# KiCad board panel.opm-inline.kicad_pcb (continued)
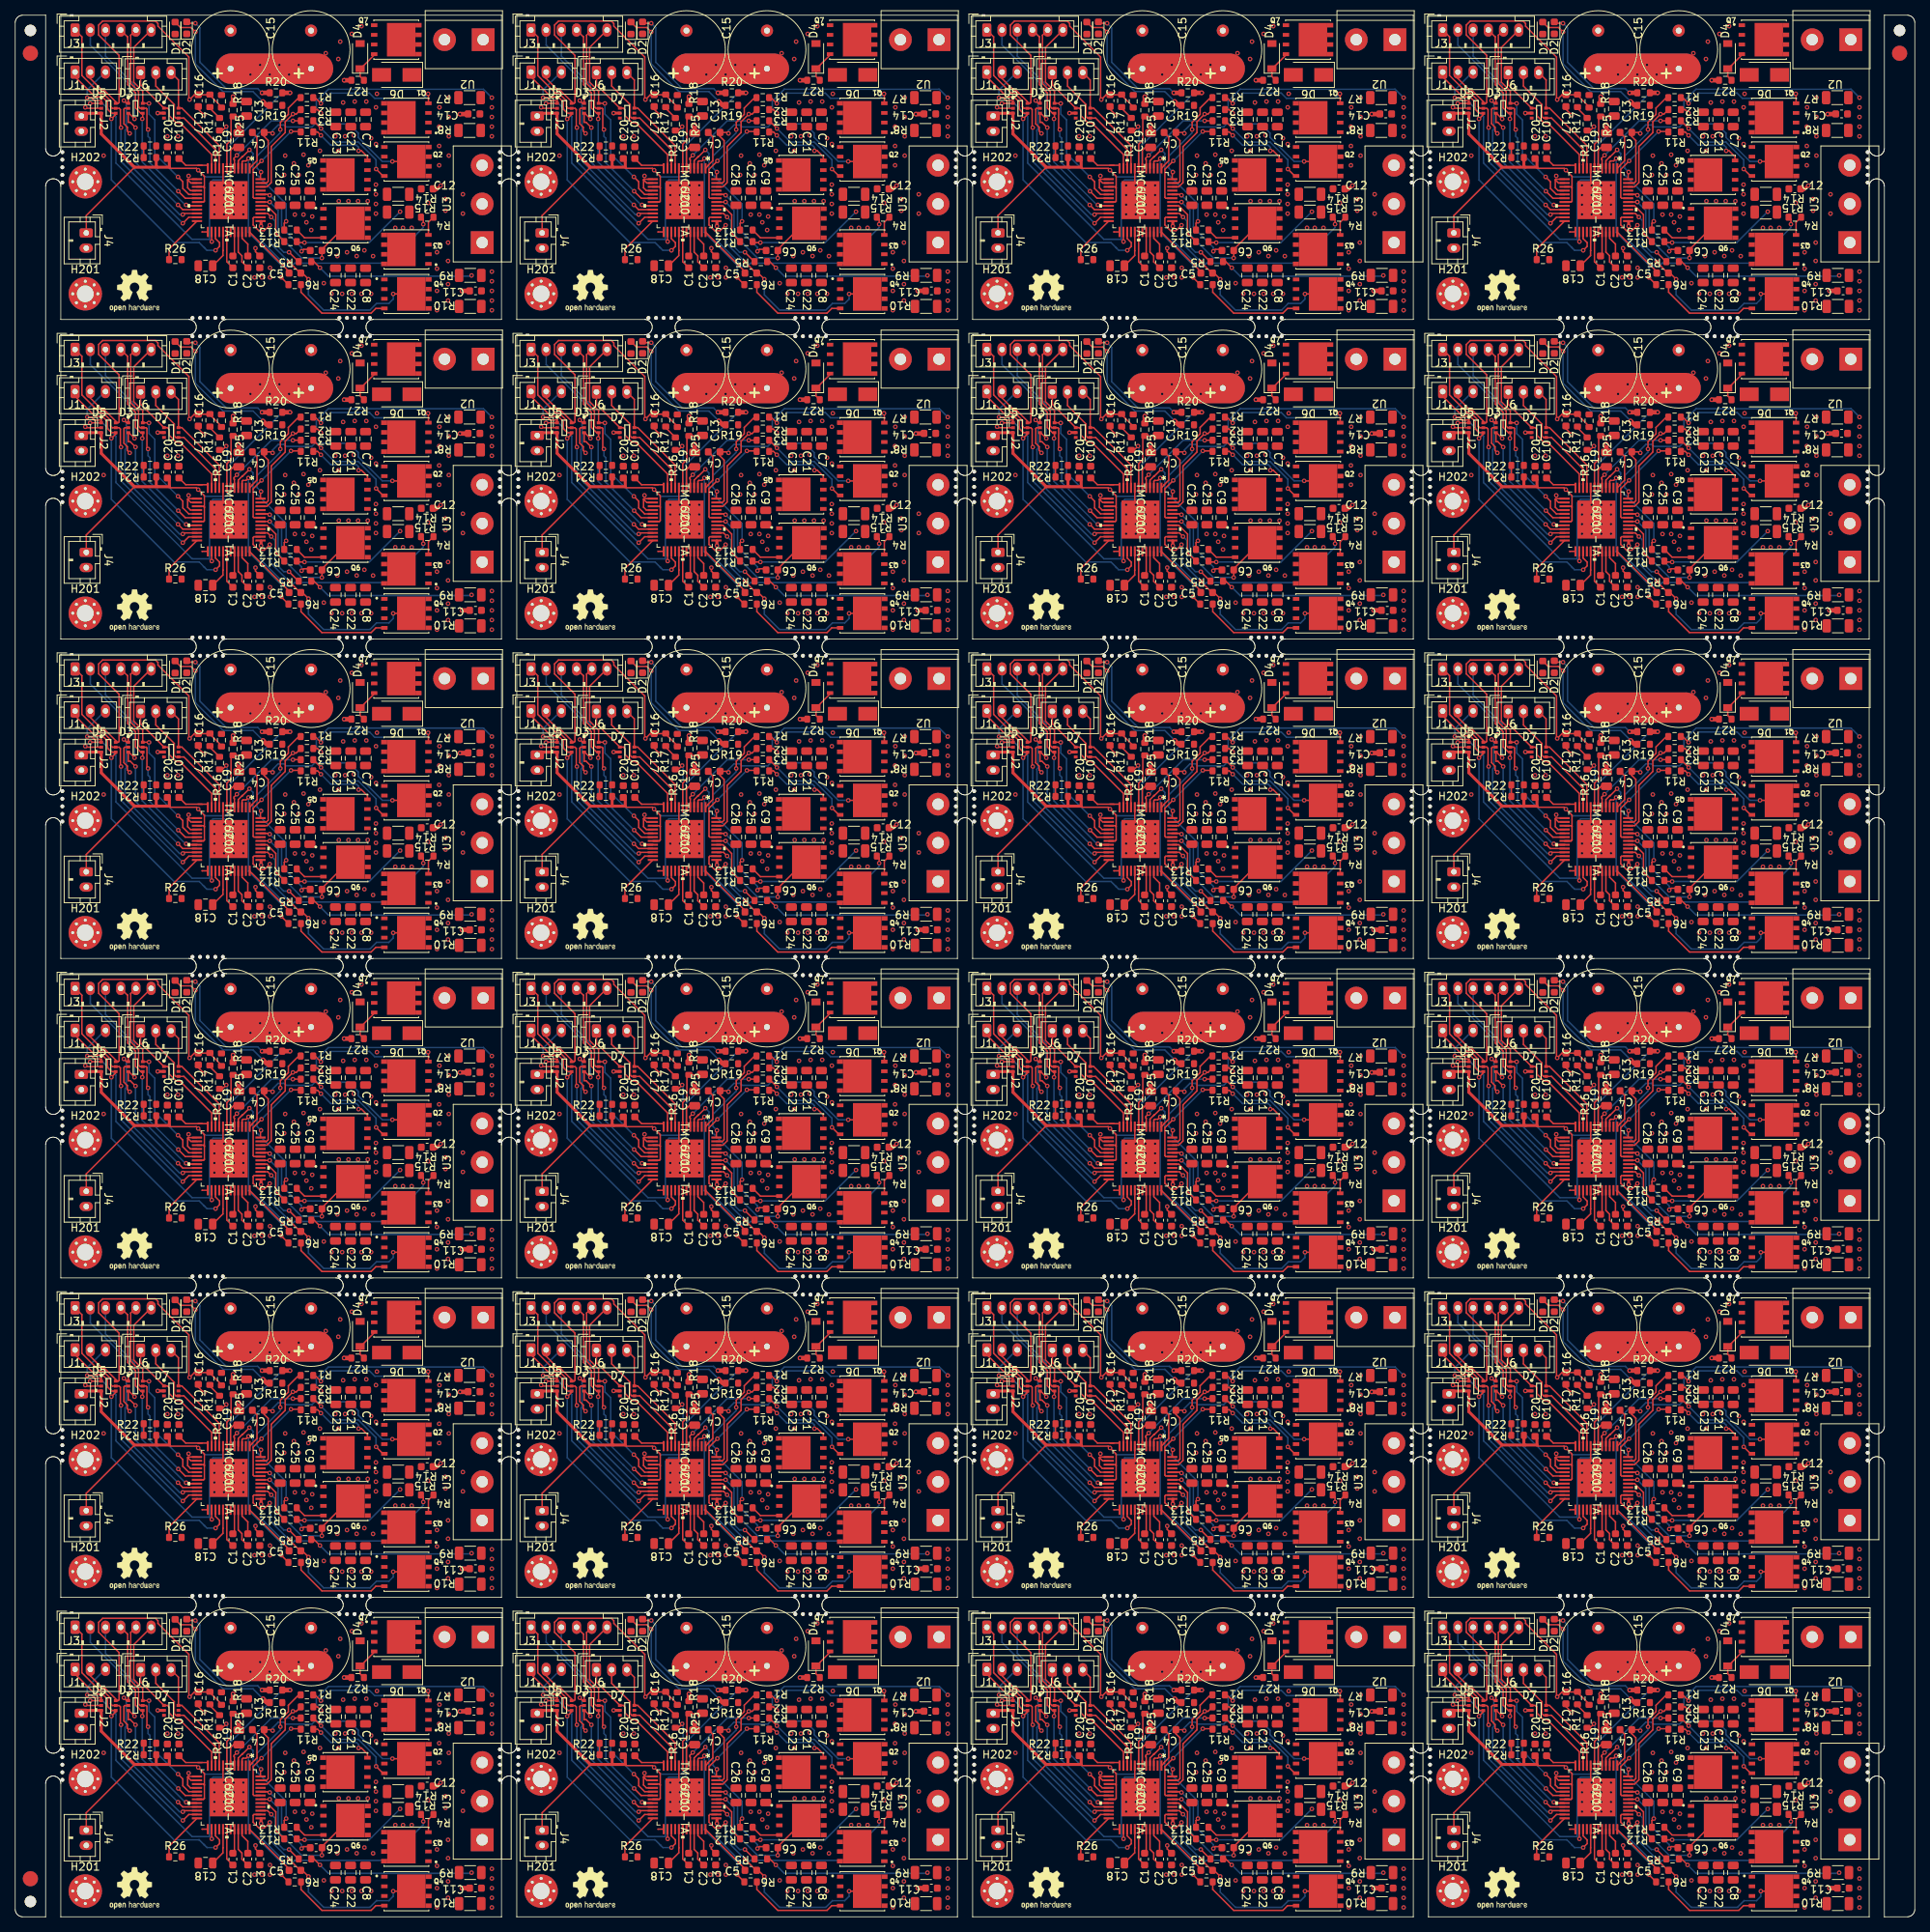
[diagram p0: board, top side]
## Routing (per net, layer and track width the routed paths; a pad name or vN(x,y) marks a point on that pad's centre or on a via; arc(x,y) is an arc through that point) (continued)
  vias: v1(175.69,237.85) v1(175.65,235.31) v1(175.65,232.77) v1(175.65,230.23) v1(176.92,239.12) v1(176.92,236.58) v1(176.92,234.04) v1(176.92,231.5)
Board_2-Net-(C4-Pad2): length 5.4
  Top w0.2: C4#15.2 151.69,233.94 151.69,230.83 151.09,230.23 151.09,230.18 IC1#11.1
Board_2-Net-(C5-Pad1): length 7.4
  Top w0.2: IC1#11.36 150.73,221.44 155.91,216.26
Board_2-Net-(C5-Pad2): length 31.7
  Top w0.2: v1(169.61,213.32) Q4#9.5 ; v1(158.47,215.25) 157.66,216.06 C5#6.2 ; v1(153.37,222.35) 152.65,221.63 151.94,221.63 151.19,222.38 151.19,223.28 151.31,223.4 IC1#11.38 ; 157.46,216.26 157.18,216.26 v1(155.91,217.53)
  Bottom w0.2: v1(153.37,222.35) 153.47,222.25 153.47,219.97 v1(155.91,217.53) ; v1(169.61,213.32) 169.61,212.63 169.04,212.07 167.41,212.07 166.54,211.2 160.46,211.2 158.47,213.2 v1(158.47,215.25)
  vias: v1(175.36,218.8) v1(175.36,216.64) v1(175.36,213.72) v1(175.36,211.18) v1(176.82,220.07) v1(176.82,217.65) v1(176.82,214.61) v1(176.82,212.45)
Board_2-Net-(C6-Pad1): length 19.3
  Top w0.2: v1(153.37,225.4) 153.37,225.4 IC1#11.42 ; Q6#4.5 163.67,222.61 160.24,219.18 160.24,218.05 v1(160.23,218.03)
  Bottom w0.2: v1(153.37,225.4) 154.47,224.3 154.47,221.13 157.56,218.03 v1(160.23,218.03)
  vias: v1(162.45,225.52) v1(163.72,225.52) v1(164.99,225.52) v1(166.26,225.52) v1(167.33,227.69) v1(167.33,226.42) v1(167.33,225.15) v1(167.33,223.88)
Board_2-Net-(C6-Pad2): length 12.4
  Top w0.2: v1(157.56,218.92) 157.82,219.18 158.69,219.18 ; v1(153.37,226.29) 153.27,226.4 IC1#11.44 153.01,226.4
  Bottom w0.2: v1(157.56,218.92) 157.56,219.43 154.93,222.06 154.93,224.73 v1(153.37,226.29)
Board_2-Net-(D1-Pad2): length 19.4
  Top w0.2: R19#6.1 152.99,238.1 ; D1#7.2 141.64,248.34 143.01,248.34 v1(143.59,247.75)
  Top w0.6: 152.99,238.1 v1(152.48,238.61)
  Bottom w0.2: v1(143.59,247.75) 143.59,243.56 147.24,239.91 151.18,239.91 v1(152.48,238.61)
Board_2-Net-(D2-Pad2): length 17.4
  Top w0.2: v1(143.59,248.9) 142.63,248.9 D2#12.2
  Top w0.6: R20#3.1 v1(152.36,239.75)
  Bottom w0.2: v1(143.59,248.9) 144.19,248.3 144.19,243.77 147.65,240.31 151.79,240.31 v1(152.36,239.75)
Board_2-Net-(D4-Pad1): length 4.4
  Top w0.2: 165.31,242.93 167.11,244.73 Q7#7.4 ; D4.1 165.26,241.9 R27#16.1
Board_2-Net-(IC1-Pad3): length 20.6
  Top w0.2: v1(150.58,231.12) 150.26,230.8 149.85,230.8 149.73,230.68 IC1#11.3 ; v1(154.9,215.49) 154.9,215.47 R6#23.2
  Bottom w0.2: v1(150.58,231.12) 150.58,221.41 154.9,217.09 v1(154.9,215.49)
Board_2-Net-(IC1-Pad4): length 16.7
  Top w0.2: 149.73,231.33 149.82,231.41 ; 149.73,231.33 149.23,230.83 IC1#11.4 149.23,230.64 ; 149.73,231.33 149.77,231.33 v1(150.71,232.26) ; v1(155.53,222.86) 155.28,222.61 R13#23.2
  Bottom w0.2: v1(155.53,222.86) 155.53,225.15 151.18,229.5 151.18,231.79 v1(150.71,232.26)
Board_2-Net-(IC1-Pad5): length 12.2
  Top w0.2: v1(149.05,231.54) 148.67,231.16 148.67,230.99 148.73,230.93 IC1#11.5 ; R3#21.2 156.43,236.08 v1(156.42,236.07)
  Bottom w0.2: v1(149.05,231.54) 153.58,236.07 v1(156.42,236.07)
Board_2-Net-(IC1-Pad24): length 6.6
  Top w0.2: R26#19.1 140.13,219.22 IC1#11.24
Board_2-Net-(IC1-Pad37): length 28.9
  Top w0.2: v1(173.57,222.48) 173.57,223.1 R4#14.2 ; 152.23,222.83 IC1#11.37
  Top w0.4: v1(152.23,222.23) 152.23,222.83
  Bottom w0.2: v1(173.57,222.48) 173.57,222.05 168.87,217.36 156.64,217.36 156.2,216.93 155.62,216.93 152.23,220.32 v1(152.23,222.23)
Board_2-Net-(IC1-Pad39): length 9.3
  Top w0.2: 157.18,217.76 156.95,217.76 v1(155.91,218.8) ; v1(153.57,223.42) 153.1,223.9 IC1#11.39
  Bottom w0.2: v1(153.57,223.42) 154.07,222.92 154.07,219.93 155.21,218.8 v1(155.91,218.8)
Board_2-Net-(IC1-Pad41): length 6.5
  Top w0.2: IC1#11.41 153.01,224.9 154.17,223.74 154.17,221.3 R12#6.2
Board_2-Net-(IC1-Pad43): length 13.1
  Top w0.2: IC1#11.43 151.31,225.9 151.19,226.02 151.19,229.69 v1(152.29,230.8) ; v1(156.17,234.67) 157.39,234.67 R11#24.2
  Bottom w0.2: v1(152.29,230.8) v1(156.17,234.67)
Board_2-Net-(IC1-Pad46): length 13.1
  Top w0.2: IC1#11.46 153.01,227.4 153.57,227.95 153.57,232.69 155.4,234.53 155.4,235.94 v1(156.42,236.96) 156.86,236.96 R2#2.2
Board_2-Net-(IC1-Pad48): length 13.8
  Top w0.2: R1#21.2 157.18,239.12 155.82,237.75 155.82,236.92 154.77,235.87 v1(154.77,234.93) ; v1(152.23,229.34) 152.16,229.27 IC1#11.48
  Bottom w0.2: v1(154.77,234.93) 154.77,234.5 151.69,231.42 151.69,229.87 v1(152.23,229.34) 152.23,229.59
Board_2-Net-(Q1-Pad4): length 17.8
  Top w0.2: Q1#22.4 174.24,239.58 v1(174.2,239.62) ; R1#21.1 159.34,239.12 v1(160.1,238.35)
  Bottom w0.2: v1(174.2,239.62) 173.6,239.02 167.18,239.02 166.49,239.72 161.47,239.72 v1(160.1,238.35)
Board_2-Net-(Q2-Pad4): length 13.2
  Top w0.2: v1(167.36,229.73) 168.27,228.82 Q2#13.4 ; 160.23,234.95 v1(160.11,235.06) R3#21.1
  Bottom w0.2: v1(167.36,229.73) 167.36,230.94 165.02,233.27 161.9,233.27 v1(160.11,235.06)
Board_2-Net-(Q3-Pad4): length 2.6
  Top w0.2: R4#14.1 174.24,222.74 Q3#8.4
Board_2-Net-(Q4-Pad4): length 13.5
  Top w0.2: Q4#9.4 167.32,211.41 166.71,210.8 160.23,210.8 157.48,213.54 R6#23.1 157.68,214.54
Board_2-Net-(Q5-Pad4): length 9.2
  Top w0.2: v1(160.1,234.16) 159.66,234.61 R11#24.1 ; Q5#17.4 166.22,231.35 165.44,232.13 v1(165.06,232.13)
  Bottom w0.2: v1(160.1,234.16) 161.4,232.87 164.78,232.87 165.06,232.59 v1(165.06,232.13)
Board_2-Net-(Q6-Pad4): length 3.9
  Top w0.2: R13#23.1 157.94,220.7 Q6#4.4
Board_2-Net-(R16-Pad2): length 2
  Top w0.2: R16#12.2 145.5,237.72 R17#2.1
Board_3-/+VM: length 61.7
  Top w0.2: IC1#10.33 209.18,218.81 209.67,218.33 209.67,217.53 C2#7.1
  Top w0.6: R25#4.2 v1(208.5,239.24)
  Top w4: 208.24,242.93 219.67,242.93
  In1.Cu w4: 208.5,242.93 218.3,242.93
  In2.Cu w4: 208.24,242.93 219.67,242.93 208.24,242.93
  Bottom w4: 208.24,242.93 219.67,242.93
  vias: v1(210.78,242.16) v1(211.31,215.49) v1(212.05,243.43) v1(212.28,215.49) v1(213.32,242.16) v1(213.35,216.76) v1(213.35,215.49) v1(214.59,243.43) v1(215.23,228.96) v1(215.35,231.5) v1(215.86,242.16) v1(216.5,230.48) v1(217.13,243.43) v1(217.13,228.96) v1(217.77,231.62) v1(218.4,230.23) v1(219.93,232.13) v1(220.69,244.96) v1(222.21,218.3) v1(222.34,244.2) v1(222.34,232.13) v1(222.59,246.48) v1(222.97,238.48) v1(223.48,218.8) v1(224.12,247.5) v1(224.5,238.61) v1(224.75,218.3) v1(225.39,248.51) v1(225.77,219.05) v1(226.02,238.61) v1(226.91,218.29) v1(227.29,237.85) v1(227.42,239.62) v1(229.83,222.01) v1(230.85,222.01) v1(231.99,222.01)
Board_3-/ADC_I_u: length 15.5
  Top w0.2: IC1#10.9 206.68,232.82 201.77,237.73 D7#3.6 201.32,241.44 J6#16.3
Board_3-/ADC_I_v: length 17.7
  Top w0.2: 206.12,230.31 206.18,230.25 IC1#10.10 206.18,232.29 202.03,236.43 D7#3.4 200.98,236.43 200.77,236.64 200.77,238.21 198.34,240.64 J6#16.2 198.84,241.91
Board_3-/ADC_I_w: length 17
  Top w0.2: IC1#10.11 205.68,231.64 201.51,235.81 201.03,235.81 200.11,236.73 200.11,237.49 199.87,237.73 D7#3.1 196.34,240.82 J6#16.1
Board_3-/Connectors/VOFS: length 1.8
  Top w0.2: R22#3.1 R21#18.2 ; 196.43,231.12 196.75,231.12
Board_3-/DRV_EN: length 38.5
  Top w0.2: v1(192.49,236.32) 193.06,236.89 D5#3.4 192.51,237.07 191.99,237.59 191.99,238.54 191.29,239.23 190.35,239.23 187.72,241.86 J1#5.1 ; v1(206.2,219.05) 206.72,219.57 206.72,220.06 206.18,220.59 IC1#10.27 206.18,221.05 206.2,221.03
  Bottom w0.2: 204.69,219.43 204.81,219.3 ; 204.69,219.43 204.05,220.07 200.73,220.07 192.49,228.3 v1(192.49,236.32) ; 204.69,219.43 205.07,219.05 v1(206.2,219.05)
Board_3-/FAULT: length 63.4
  Top w0.2: v1(189.7,238.35) 189.72,238.37 D5#3.1 191.16,238.68 ; 191.22,238.74 190.28,238.74 189.9,239.12 v1(189.32,239.12) ; v1(205.7,220.19) 205.68,220.21 IC1#10.26
  Top w0.6: R20#20.2 v1(215.99,239.75)
  Bottom w0.2: 193,236.7 192.78,236.92 ; 193,236.7 193.09,236.61 193.09,230.52 203.12,220.49 205.4,220.49 ; 193,236.7 191.35,238.35 v1(189.7,238.35) ; 205.4,220.49 v1(205.7,220.19) ; 205.4,220.49 205.4,227.83 205.87,228.3 207.9,228.3 208.13,228.54 208.13,232.91 R20#20.2 v1(215.99,239.75) ; J1#5.3 191.66,242.48 189.32,240.13 v1(189.32,239.12)
Board_3-/Motor Driver/VOFS: length 4.7
  Top w0.2: 203.89,230.23 205.16,230.23 ; C10#12.1 202.27,230.23 204.43,230.23
Board_3-/TEMP_PCB: length 42.5
  Top w0.2: 193.06,245.12 193.05,245.13 ; 193.05,245.13 193.51,244.67 193.51,238.48 193.4,238.37 D5#3.6 193.06,238.59 191.63,240.03 191.33,240.03 189.72,241.63 J1#5.2 ; 193.05,245.13 190.82,247.36 190.82,248.65 191.35,249.18 198.3,249.18 198.62,248.86 198.62,248.52 202.69,244.45 202.69,238.95 v1(202.78,238.86) 203.42,239.5 C17#15.1 205.42,239.5 R17.2 205.45,239.43 206.97,237.91
Board_3-/U: length 27.2
  Top w0.2: R2#12.1 219.59,237.55 v1(220.05,237.08)
  Bottom w0.2: v1(242.53,239.12) 241.42,240.22 221.04,240.22 219.45,238.64 219.45,237.68 v1(220.05,237.08)
  vias: v1(242.53,237.85) v1(242.53,236.58) v1(242.53,235.31) v1(242.53,234.04)
Board_3-/UH: length 27.5
  Top w0.2: v1(201.26,228.7) 201.89,228.07 201.89,227.18 202.67,226.4 IC1#10.17 ; 197.72,247.65 J3#19.6 195.44,245.72 195.44,241.15 196.62,239.97 D3#5.6 197.43,238.37 v1(197.45,238.35)
  Bottom w0.2: v1(197.45,238.35) 197.45,236.96 198.21,236.2 198.21,231.75 v1(201.26,228.7)
Board_3-/UL: length 27.4
  Top w0.2: v1(197.32,234.93) 197.17,235.08 197.17,237.62 197.07,237.72 D3#5.5 196.28,237.72 196.07,237.93 196.07,239.93 195.92,240.07 195.92,240.1 195.04,240.98 195.04,247.32 J3#19.5 ; IC1#10.18 202.21,225.9 v1(201.29,226.82)
  Bottom w0.2: v1(197.32,234.93) 197.32,234.04 197.57,233.78 197.57,230.53 v1(201.29,226.82)
Board_3-/V: length 15.3
  Top w0.2: R12#20.1 217,220.07 v1(217.89,220.07)
  Bottom w0.2: v1(230.47,224.13) 226.4,220.07 v1(217.89,220.07)
  vias: v1(234.15,225.27) v1(236.44,225.78) v1(236.44,224.26) v1(238.72,226.42) v1(238.72,223.88)
Board_3-/VH: length 30.4
  Top w0.2: v1(202.33,225.02) 202.45,224.9 IC1#10.20 202.88,224.9 ; D3#5.4 196.36,237.07 195.67,237.76 195.67,239.75 195.27,240.15 195.27,240.19 194.64,240.82 194.64,247.12 194.61,247.12 J3#19.4 ; D3#5.4 196.42,237.07 ; D3#5.4 196.62,236.26
  Bottom w0.2: 196.56,236.2 196.56,230.66 202.33,224.9 202.14,224.9 202.14,225.01 ; 194.27,247.46 J3#19.4
  vias: v1(196.56,236.32)
Board_3-/VL: length 32.1
  Top w0.2: IC1#10.21 201.88,224.4 v1(201.26,225.02) ; v1(195.54,236.32) 194.8,237.07 D3#5.3 ; 194.78,237.01 D3#5.3 ; D3#5.3 194.72,235.88 194.97,235.88 v1(195.67,235.18)
  Bottom w0.2: v1(195.54,236.32) 195.54,240.77 191.72,244.59 J3#19.3 ; v1(201.26,225.02) 195.67,230.61 v1(195.67,235.18)
Board_3-/VSA: length 5
  Top w0.2: C18#6.1 207.17,218.37 207.17,219.01 207.18,219.02 IC1#10.29
Board_3-/W: length 21.9
  Top w0.2: 218.81,217.78 218.78,217.76 ; R5#8.1 219.13,217.56 v1(219.93,216.76)
  Bottom w0.2: v1(219.93,216.76) 221.03,215.66 239.77,215.66 v1(239.87,215.75)
  vias: v1(242.53,216.26) v1(242.53,214.99) v1(242.53,213.72) v1(242.53,212.45) v1(242.53,211.18)
Board_3-/WH: length 33.7
  Top w0.2: v1(194.15,238.74) 194.51,238.37 D3#5.1 ; IC1#10.22 202.04,223.9 v1(201.89,223.75) ; D3#5.1 194.65,238.44 ; D3#5.1 194.72,239.18 v1(194.91,239.37)
  Bottom w0.2: 194.76,230.46 201.47,223.75 v1(201.89,223.75) ; 194.76,230.46 194.31,230.91 194.31,234.83 194.45,234.97 194.45,238.44 v1(194.15,238.74) ; 194.76,230.46 194.65,230.56 ; 193.36,242.38 193.16,242.58 ; 193.16,242.58 189.72,246.02 J3#19.2 ; 193.16,242.58 194.56,241.18 ; 194.65,241.09 194.56,241.18 ; 194.56,241.18 194.91,240.84 v1(194.91,239.37)
Board_3-/WL: length 34.8
  Top w0.2: IC1#10.23 202.68,223.4 v1(201.89,222.61) ; v1(193.76,235.18) 193.68,235.26 193.68,237.55 193.51,237.72 D5#3.5 192.61,237.72 192.39,237.95 192.39,238.7 191.46,239.63 191.02,239.63 188.62,242.03 188.62,247.11 J3#19.1 187.74,248.01
  Bottom w0.2: v1(201.89,222.61) 193.76,230.73 v1(193.76,235.18) ; 187.72,247.46 J3#19.1
Board_3-GND: length 31.2
  Top w0.2: 239.39,236.96 C14#15.2 ; C17#15.2 203.92,237.59 v1(204.69,236.83) ; D5#3.2 189.19,237.72 v1(189.07,237.85) ; 204.43,221.46 204.44,221.47 IC1#10.25 205.18,221.36 ; 209.68,227.4 IC1#10.EPAD ; IC1#10.EPAD 207.18,226.4 IC1#10.8 ; IC1#10.EPAD 205.68,223.4 ; v1(194.91,234.42) 194.61,234.72 194.61,235.22 194.15,235.69 194.15,237.6 194.27,237.72 D3#5.2 ; C3#22.2 211.44,218.87 v1(211.44,219.33) ; IC1#10.13 202.6,228.4 202.53,228.32 ; IC1#10.14 202.95,227.9 202.53,228.32 ; 202.53,228.32 202.53,227.27 202.9,226.9 IC1#10.16
  Top w0.4: 234.8,227.05 235.29,227.05 v1(235.8,227.56) ; D7#3.2 v1(198.59,237.08)
  Top w0.6: v1(223.1,241.4) R27#5.2 ; v1(238.6,213.72) C11#22.2 ; v1(238.34,236.96) 239.39,236.96 ; C19#22.2 v1(209.26,235.56)
  vias: v1(191.48,231.5) v1(199.86,234.04) v1(201.26,234.04) v1(202.65,228.83) v1(206.04,227.59) v1(206.04,226.32) v1(206.04,225.05) v1(206.04,223.78) v1(207.31,227.59) v1(207.31,226.32) v1(207.31,225.05) v1(207.31,223.78) v1(208.58,227.59) v1(208.58,226.32) v1(208.58,225.05) v1(208.58,223.78) v1(209.85,227.59) v1(209.85,226.32) v1(209.85,225.05) v1(209.85,223.78) v1(216.62,223.75) v1(217.77,223.75) v1(218.15,222.73) v1(218.78,221.72) v1(218.91,223.5) v1(220.43,214.73) v1(221.45,213.34) v1(221.96,234.04) v1(222.85,213.34) v1(223.23,234.04) v1(224.12,213.34) v1(224.37,234.16) v1(225.39,213.34) v1(226.66,233.78) v1(226.66,213.34) v1(227.29,233.02)
Board_3-Net-(C1-Pad1): length 5
  Top w0.2: IC1#10.30 207.68,217.55 C1#23.1
Board_3-Net-(C1-Pad2): length 3.2
  Top w0.2: C1#23.2 208.68,218.52 IC1#10.32
Board_3-Net-(C2-Pad2): length 3.5
  Top w0.2: IC1#10.34 209.68,220.63 210.44,219.87 C2#7.2
Board_3-Net-(C4-Pad1): length 31
  Top w0.2: C4#6.1 212.59,234.07 ; C4#6.1 213.58,234.54 v1(213.7,234.42) ; C4#6.1 212.59,234.01 213.12,233.47 213.12,228.12 212.9,227.9 IC1#10.47 ; v1(229.45,230.73) 229.46,230.73 Q2#19.5
  Bottom w0.2: v1(213.7,234.42) 213.7,234.8 214.43,235.53 215.19,235.53 215.45,235.27 218.88,235.27 219.27,235.66 223.76,235.66 224.97,234.45 224.97,233.89 228.13,230.73 v1(229.45,230.73)
  vias: v1(235.6,235.31) v1(235.6,232.77) v1(235.6,230.23) v1(235.64,237.85) v1(236.87,239.12) v1(236.87,236.58) v1(236.87,234.04) v1(236.87,231.5)
Board_3-Net-(C4-Pad2): length 5.4
  Top w0.2: C4#6.2 211.64,233.94 211.64,230.83 211.04,230.23 211.04,230.18 IC1#10.1
Board_3-Net-(C5-Pad1): length 7.4
  Top w0.2: IC1#10.36 210.68,221.44 215.86,216.26
Board_3-Net-(C5-Pad2): length 31.7
  Top w0.2: v1(229.56,213.32) Q4#4.5 ; v1(218.42,215.25) 217.61,216.06 C5#3.2 ; v1(213.32,222.35) 212.6,221.63 211.89,221.63 211.14,222.38 211.14,223.28 211.26,223.4 IC1#10.38 ; 217.41,216.26 217.13,216.26 v1(215.86,217.53)
  Bottom w0.2: v1(213.32,222.35) 213.42,222.25 213.42,219.97 v1(215.86,217.53) ; v1(229.56,213.32) 229.56,212.63 228.99,212.07 227.36,212.07 226.49,211.2 220.41,211.2 218.42,213.2 v1(218.42,215.25)
  vias: v1(235.31,218.8) v1(235.31,216.64) v1(235.31,213.72) v1(235.31,211.18) v1(236.77,220.07) v1(236.77,217.65) v1(236.77,214.61) v1(236.77,212.45)
Board_3-Net-(C6-Pad1): length 19.3
  Top w0.2: v1(213.32,225.4) 213.32,225.4 IC1#10.42 ; Q6#5.5 223.62,222.61 220.19,219.18 220.19,218.05 v1(220.18,218.03)
  Bottom w0.2: v1(213.32,225.4) 214.42,224.3 214.42,221.13 217.51,218.03 v1(220.18,218.03)
  vias: v1(222.4,225.52) v1(223.67,225.52) v1(224.94,225.52) v1(226.21,225.52) v1(227.28,227.69) v1(227.28,226.42) v1(227.28,225.15) v1(227.28,223.88)
Board_3-Net-(C6-Pad2): length 12.4
  Top w0.2: v1(217.51,218.92) 217.77,219.18 218.64,219.18 ; v1(213.32,226.29) 213.22,226.4 IC1#10.44 212.96,226.4
  Bottom w0.2: v1(217.51,218.92) 217.51,219.43 214.88,222.06 214.88,224.73 v1(213.32,226.29)
Board_3-Net-(D1-Pad2): length 19.4
  Top w0.2: R19#3.1 212.94,238.1 ; D1#23.2 201.59,248.34 202.96,248.34 v1(203.54,247.75)
  Top w0.6: 212.94,238.1 v1(212.43,238.61)
  Bottom w0.2: v1(203.54,247.75) 203.54,243.56 207.19,239.91 211.13,239.91 v1(212.43,238.61)
Board_3-Net-(D2-Pad2): length 17.4
  Top w0.2: v1(203.54,248.9) 202.58,248.9 D2#5.2
  Top w0.6: R20#20.1 v1(212.31,239.75)
  Bottom w0.2: v1(203.54,248.9) 204.14,248.3 204.14,243.77 207.6,240.31 211.74,240.31 v1(212.31,239.75)
Board_3-Net-(D4-Pad1): length 4.4
  Top w0.2: 225.26,242.93 227.06,244.73 Q7#17.4 ; D4#9.1 225.21,241.9 R27#5.1
Board_3-Net-(IC1-Pad3): length 20.6
  Top w0.2: v1(210.53,231.12) 210.21,230.8 209.8,230.8 209.68,230.68 IC1#10.3 ; v1(214.85,215.49) 214.85,215.47 R6#19.2
  Bottom w0.2: v1(210.53,231.12) 210.53,221.41 214.85,217.09 v1(214.85,215.49)
Board_3-Net-(IC1-Pad4): length 16.7
  Top w0.2: 209.68,231.33 209.77,231.41 ; 209.68,231.33 209.18,230.83 IC1#10.4 209.18,230.64 ; 209.68,231.33 209.72,231.33 v1(210.66,232.26) ; v1(215.48,222.86) 215.23,222.61 R13#17.2
  Bottom w0.2: v1(215.48,222.86) 215.48,225.15 211.13,229.5 211.13,231.79 v1(210.66,232.26)
Board_3-Net-(IC1-Pad5): length 12.2
  Top w0.2: v1(209,231.54) 208.62,231.16 208.62,230.99 208.68,230.93 IC1#10.5 ; R3#4.2 216.38,236.08 v1(216.37,236.07)
  Bottom w0.2: v1(209,231.54) 213.53,236.07 v1(216.37,236.07)
Board_3-Net-(IC1-Pad24): length 6.6
  Top w0.2: R26#16.1 200.08,219.22 IC1#10.24
Board_3-Net-(IC1-Pad37): length 28.9
  Top w0.2: v1(233.52,222.48) 233.52,223.1 R4.2 ; 212.18,222.83 IC1#10.37
  Top w0.4: v1(212.18,222.23) 212.18,222.83
  Bottom w0.2: v1(233.52,222.48) 233.52,222.05 228.82,217.36 216.59,217.36 216.15,216.93 215.57,216.93 212.18,220.32 v1(212.18,222.23)
Board_3-Net-(IC1-Pad39): length 9.3
  Top w0.2: 217.13,217.76 216.9,217.76 v1(215.86,218.8) ; v1(213.52,223.42) 213.05,223.9 IC1#10.39
  Bottom w0.2: v1(213.52,223.42) 214.02,222.92 214.02,219.93 215.16,218.8 v1(215.86,218.8)
Board_3-Net-(IC1-Pad41): length 6.5
  Top w0.2: IC1#10.41 212.96,224.9 214.12,223.74 214.12,221.3 R12#20.2
Board_3-Net-(IC1-Pad43): length 13.1
  Top w0.2: IC1#10.43 211.26,225.9 211.14,226.02 211.14,229.69 v1(212.24,230.8) ; v1(216.12,234.67) 217.34,234.67 R11#18.2
  Bottom w0.2: v1(212.24,230.8) v1(216.12,234.67)
Board_3-Net-(IC1-Pad46): length 13.1
  Top w0.2: IC1#10.46 212.96,227.4 213.52,227.95 213.52,232.69 215.35,234.53 215.35,235.94 v1(216.37,236.96) 216.81,236.96 R2#12.2
Board_3-Net-(IC1-Pad48): length 13.8
  Top w0.2: R1#16.2 217.13,239.12 215.77,237.75 215.77,236.92 214.72,235.87 v1(214.72,234.93) ; v1(212.18,229.34) 212.11,229.27 IC1#10.48
  Bottom w0.2: v1(214.72,234.93) 214.72,234.5 211.64,231.42 211.64,229.87 v1(212.18,229.34) 212.18,229.59
Board_3-Net-(Q1-Pad4): length 17.8
  Top w0.2: Q1#19.4 234.19,239.58 v1(234.15,239.62) ; R1#16.1 219.29,239.12 v1(220.05,238.35)
  Bottom w0.2: v1(234.15,239.62) 233.55,239.02 227.13,239.02 226.44,239.72 221.42,239.72 v1(220.05,238.35)
Board_3-Net-(Q2-Pad4): length 13.2
  Top w0.2: v1(227.31,229.73) 228.22,228.82 Q2#19.4 ; 220.18,234.95 v1(220.06,235.06) R3#4.1
  Bottom w0.2: v1(227.31,229.73) 227.31,230.94 224.97,233.27 221.85,233.27 v1(220.06,235.06)
Board_3-Net-(Q3-Pad4): length 2.6
  Top w0.2: R4.1 234.19,222.74 Q3#23.4
Board_3-Net-(Q4-Pad4): length 13.5
  Top w0.2: Q4#4.4 227.27,211.41 226.66,210.8 220.18,210.8 217.43,213.54 R6#19.1 217.63,214.54
Board_3-Net-(Q5-Pad4): length 9.2
  Top w0.2: v1(220.05,234.16) 219.61,234.61 R11#18.1 ; Q5#23.4 226.17,231.35 225.39,232.13 v1(225.01,232.13)
  Bottom w0.2: v1(220.05,234.16) 221.35,232.87 224.73,232.87 225.01,232.59 v1(225.01,232.13)
Board_3-Net-(Q6-Pad4): length 3.9
  Top w0.2: R13#17.1 217.89,220.7 Q6#5.4
Board_3-Net-(R16-Pad2): length 2
  Top w0.2: R16#3.2 205.45,237.72 R17.1
Board_4-/+VM: length 61.7
  Top w0.2: IC1#12.33 29.33,176.82 29.82,176.34 29.82,175.54 C2#10.1
  Top w0.6: R25#10.2 v1(28.65,197.25)
  Top w4: 28.39,200.94 39.82,200.94
  In1.Cu w4: 28.65,200.94 38.45,200.94
  In2.Cu w4: 28.39,200.94 39.82,200.94 28.39,200.94
  Bottom w4: 28.39,200.94 39.82,200.94
  vias: v1(30.93,200.17) v1(31.46,173.5) v1(32.2,201.44) v1(32.43,173.5) v1(33.47,200.17) v1(33.5,174.77) v1(33.5,173.5) v1(34.74,201.44) v1(35.38,186.97) v1(35.5,189.51) v1(36.01,200.17) v1(36.65,188.49) v1(37.28,201.44) v1(37.28,186.97) v1(37.92,189.63) v1(38.55,188.24) v1(40.08,190.14) v1(40.84,202.97) v1(42.36,176.31) v1(42.49,202.21) v1(42.49,190.14) v1(42.74,204.49) v1(43.12,196.49) v1(43.63,176.81) v1(44.27,205.51) v1(44.65,196.62) v1(44.9,176.31) v1(45.54,206.52) v1(45.92,177.06) v1(46.17,196.62) v1(47.06,176.3) v1(47.44,195.86) v1(47.57,197.63) v1(49.98,180.02) v1(51,180.02) v1(52.14,180.02)
Board_4-/ADC_I_u: length 15.5
  Top w0.2: IC1#12.9 26.83,190.83 21.92,195.74 D7#12.6 21.47,199.45 J6#5.3
Board_4-/ADC_I_v: length 17.7
  Top w0.2: 26.27,188.32 26.33,188.26 IC1#12.10 26.33,190.3 22.18,194.44 D7#12.4 21.13,194.44 20.92,194.65 20.92,196.22 18.49,198.65 J6#5.2 18.99,199.92
Board_4-/ADC_I_w: length 17
  Top w0.2: IC1#12.11 25.83,189.65 21.66,193.82 21.18,193.82 20.26,194.74 20.26,195.5 20.02,195.74 D7#12.1 16.49,198.83 J6#5.1
Board_4-/Connectors/VOFS: length 1.8
  Top w0.2: R22#23.1 R21#17.2 ; 16.58,189.12 16.9,189.12
Board_4-/DRV_EN: length 38.5
  Top w0.2: v1(12.64,194.33) 13.21,194.9 D5#22.4 12.66,195.08 12.14,195.6 12.14,196.55 11.44,197.24 10.5,197.24 7.87,199.87 J1#7.1 ; v1(26.35,177.06) 26.87,177.58 26.87,178.07 26.33,178.6 IC1#12.27 26.33,179.06 26.35,179.04
  Bottom w0.2: 24.84,177.44 24.96,177.31 ; 24.84,177.44 24.2,178.08 20.88,178.08 12.64,186.31 v1(12.64,194.33) ; 24.84,177.44 25.22,177.06 v1(26.35,177.06)
Board_4-/FAULT: length 63.4
  Top w0.2: v1(9.85,196.36) 9.87,196.38 D5#22.1 11.31,196.69 ; 11.37,196.74 10.43,196.74 10.05,197.13 v1(9.47,197.13) ; v1(25.85,178.2) 25.83,178.22 IC1#12.26
  Top w0.6: R20#7.2 v1(36.14,197.76)
  Bottom w0.2: 13.15,194.71 12.93,194.93 ; 13.15,194.71 13.24,194.62 13.24,188.53 23.27,178.5 25.55,178.5 ; 13.15,194.71 11.5,196.36 v1(9.85,196.36) ; 25.55,178.5 v1(25.85,178.2) ; 25.55,178.5 25.55,185.84 26.02,186.31 28.05,186.31 28.28,186.55 28.28,190.92 35.12,197.76 v1(36.14,197.76) ; J1#7.3 11.81,200.49 9.47,198.14 v1(9.47,197.13)
Board_4-/Motor Driver/VOFS: length 4.7
  Top w0.2: 24.04,188.24 25.31,188.24 ; C10#20.1 22.42,188.24 24.58,188.24
Board_4-/TEMP_PCB: length 42.5
  Top w0.2: 13.21,203.13 13.2,203.14 ; 13.2,203.14 13.66,202.68 13.66,196.49 13.55,196.38 D5#22.6 13.21,196.6 11.78,198.04 11.48,198.04 9.87,199.64 J1#7.2 ; 13.2,203.14 10.97,205.37 10.97,206.66 11.5,207.19 18.45,207.19 18.77,206.87 18.77,206.53 22.84,202.46 22.84,196.96 v1(22.93,196.87) 23.57,197.51 C17#18.1 25.57,197.51 R17#14.2 25.6,197.44 27.12,195.92
Board_4-/U: length 27.2
  Top w0.2: R2#24.1 39.74,195.56 v1(40.2,195.09)
  Bottom w0.2: v1(62.68,197.13) 61.57,198.23 41.18,198.23 39.6,196.65 39.6,195.69 v1(40.2,195.09)
  vias: v1(62.68,195.86) v1(62.68,194.59) v1(62.68,193.32) v1(62.68,192.05)
Board_4-/UH: length 27.5
  Top w0.2: v1(21.41,186.71) 22.04,186.08 22.04,185.19 22.82,184.41 IC1#12.17 ; 17.87,205.66 J3#22.6 15.59,203.73 15.59,199.16 16.77,197.98 D3#3.6 17.58,196.38 v1(17.6,196.36)
  Bottom w0.2: v1(17.6,196.36) 17.6,194.97 18.36,194.21 18.36,189.76 v1(21.41,186.71)
Board_4-/UL: length 27.4
  Top w0.2: v1(17.47,192.93) 17.32,193.09 17.32,195.63 17.22,195.73 D3#3.5 16.43,195.73 16.22,195.94 16.22,197.94 16.07,198.08 16.07,198.11 15.19,198.99 15.19,205.33 J3#22.5 ; IC1#12.18 22.36,183.91 v1(21.44,184.83)
  Bottom w0.2: v1(17.47,192.93) 17.47,192.05 17.72,191.79 17.72,188.54 v1(21.44,184.83)
Board_4-/V: length 15.3
  Top w0.2: R12#10.1 37.15,178.08 v1(38.04,178.08)
  Bottom w0.2: v1(50.62,182.14) 46.55,178.08 v1(38.04,178.08)
  vias: v1(54.3,183.28) v1(56.59,183.79) v1(56.59,182.27) v1(58.87,184.43) v1(58.87,181.89)
Board_4-/VH: length 30.4
  Top w0.2: v1(22.48,183.03) 22.6,182.91 IC1#12.20 23.03,182.91 ; D3#3.4 16.51,195.08 15.82,195.77 15.82,197.76 15.42,198.16 15.42,198.2 14.79,198.83 14.79,205.13 14.76,205.13 J3#22.4 ; D3#3.4 16.57,195.08 ; D3#3.4 16.77,194.27
  Bottom w0.2: 16.71,194.2 16.71,188.67 22.48,182.91 22.29,182.91 22.29,183.02 ; 14.42,205.47 J3#22.4
  vias: v1(16.71,194.33)
Board_4-/VL: length 32.1
  Top w0.2: IC1#12.21 22.03,182.41 v1(21.41,183.03) ; v1(15.69,194.33) 14.94,195.08 D3#3.3 ; 14.93,195.02 D3#3.3 ; D3#3.3 14.87,193.88 15.12,193.88 v1(15.82,193.19)
  Bottom w0.2: v1(15.69,194.33) 15.69,198.78 11.87,202.6 J3#22.3 ; v1(21.41,183.03) 15.82,188.62 v1(15.82,193.19)
Board_4-/VSA: length 5
  Top w0.2: C18#23.1 27.32,176.38 27.32,177.02 27.33,177.03 IC1#12.29
Board_4-/W: length 21.9
  Top w0.2: 38.96,175.79 38.93,175.77 ; R5#11.1 39.28,175.57 v1(40.08,174.77)
  Bottom w0.2: v1(40.08,174.77) 41.18,173.67 59.92,173.67 v1(60.01,173.76)
  vias: v1(62.68,174.27) v1(62.68,173) v1(62.68,171.73) v1(62.68,170.46) v1(62.68,169.19)
Board_4-/WH: length 33.7
  Top w0.2: v1(14.29,196.74) 14.66,196.38 D3#3.1 ; IC1#12.22 22.19,181.91 v1(22.04,181.76) ; D3#3.1 14.8,196.44 ; D3#3.1 14.87,197.19 v1(15.06,197.38)
  Bottom w0.2: 14.91,188.47 21.62,181.76 v1(22.04,181.76) ; 14.91,188.47 14.46,188.92 14.46,192.84 14.59,192.98 14.59,196.44 v1(14.29,196.74) ; 14.91,188.47 14.8,188.57 ; 13.51,200.39 13.31,200.59 ; 13.31,200.59 9.87,204.03 J3#22.2 ; 13.31,200.59 14.71,199.19 ; 14.8,199.1 14.71,199.19 ; 14.71,199.19 15.06,198.85 v1(15.06,197.38)
Board_4-/WL: length 34.8
  Top w0.2: IC1#12.23 22.83,181.41 v1(22.04,180.62) ; v1(13.91,193.19) 13.83,193.27 13.83,195.56 13.66,195.73 D5#22.5 12.76,195.73 12.54,195.96 12.54,196.71 11.61,197.64 11.17,197.64 8.77,200.04 8.77,205.12 J3#22.1 7.89,206.02
  Bottom w0.2: v1(22.04,180.62) 13.91,188.74 v1(13.91,193.19) ; 7.87,205.47 J3#22.1
